# Altium PCB PCB1.PcbDoc (part 1 of 3)
Units mil, origin at the board's own origin, x right, y up, seen from the top; angles counter-clockwise.
Board outline 3937.01 x 2755.91 mil, 2 copper layers (Top Layer, Bottom Layer); 150 components, 153 nets, 622 pads, 556 vias.
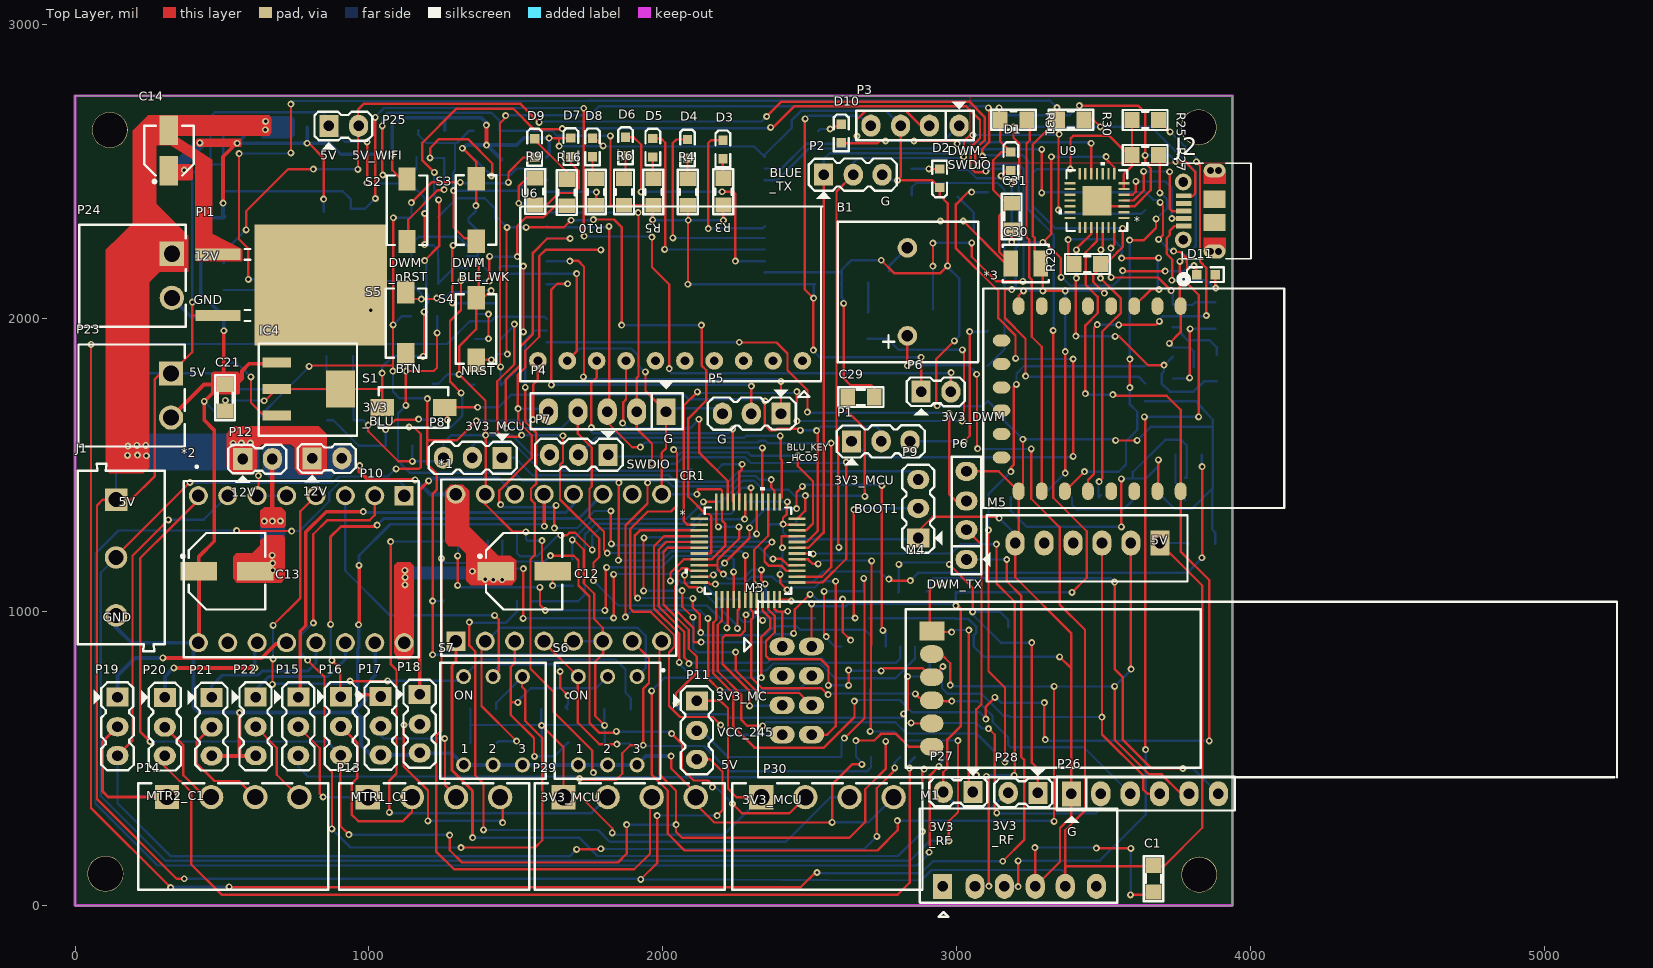
[diagram p0: Top Layer view]
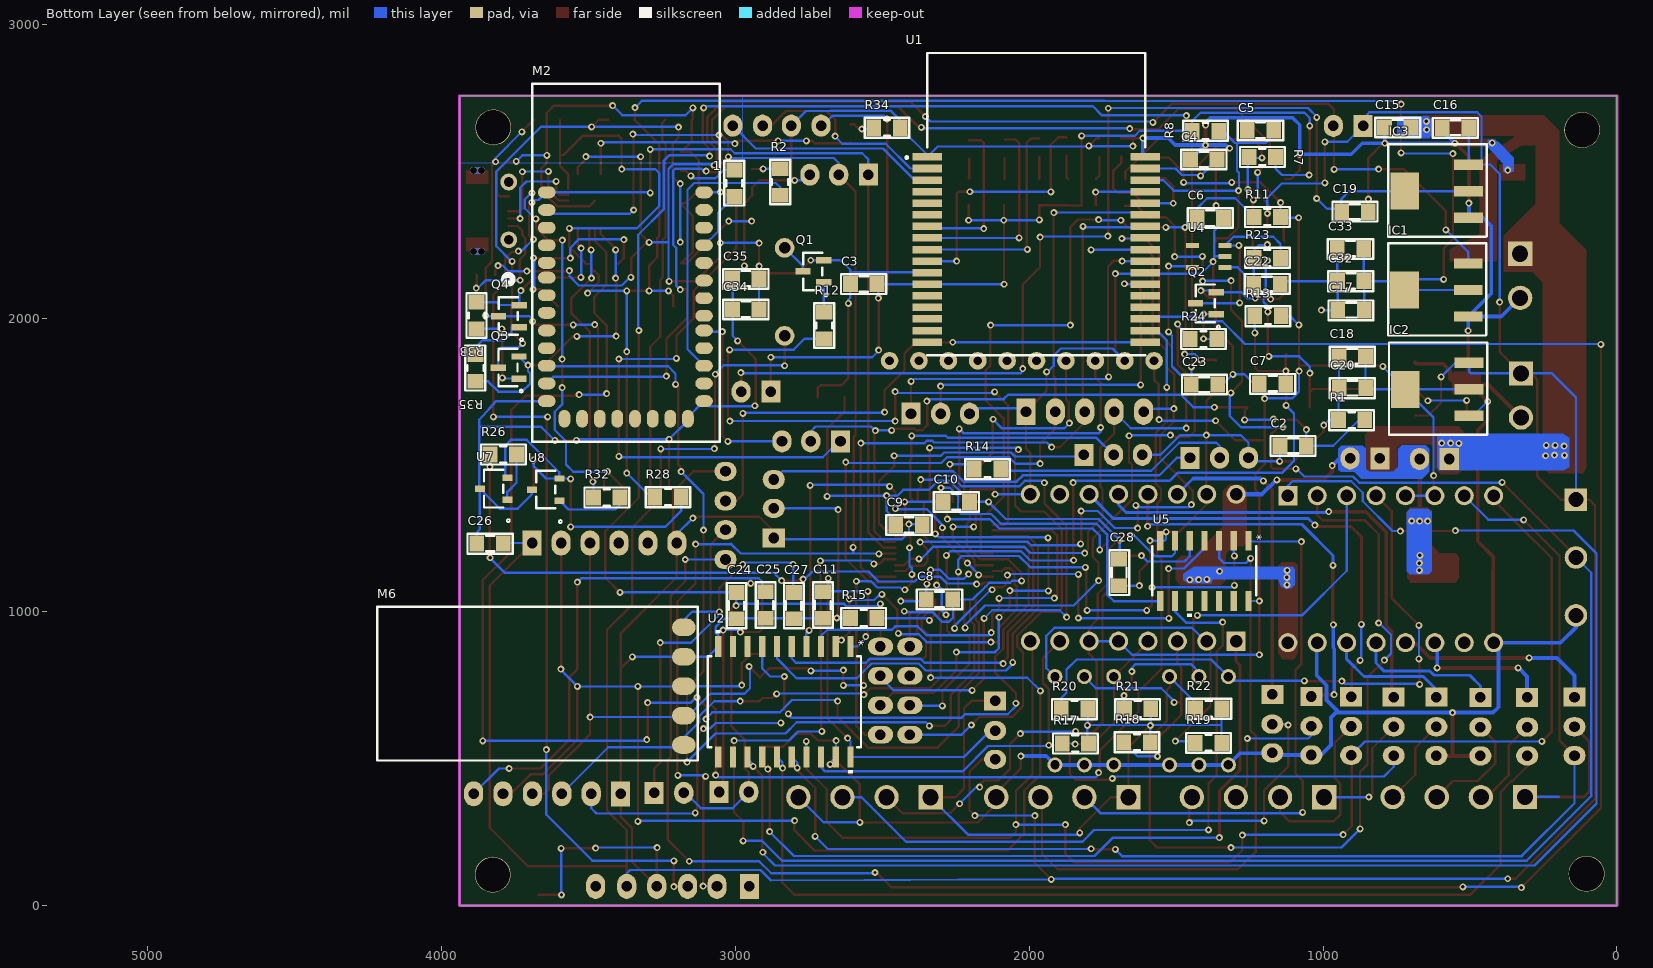
[diagram p1: Bottom Layer view, seen from below]
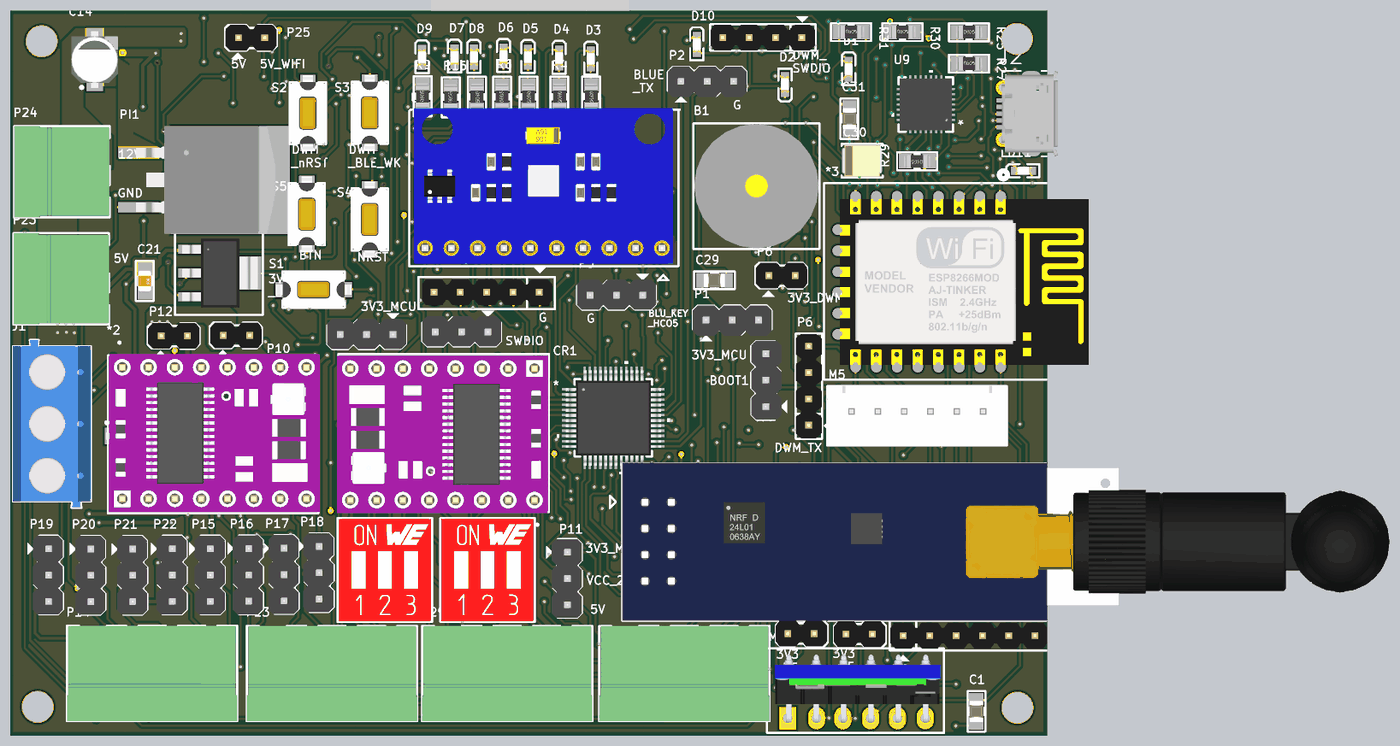
[diagram p4: 3D render of the assembled board from above, using the file's embedded part models]
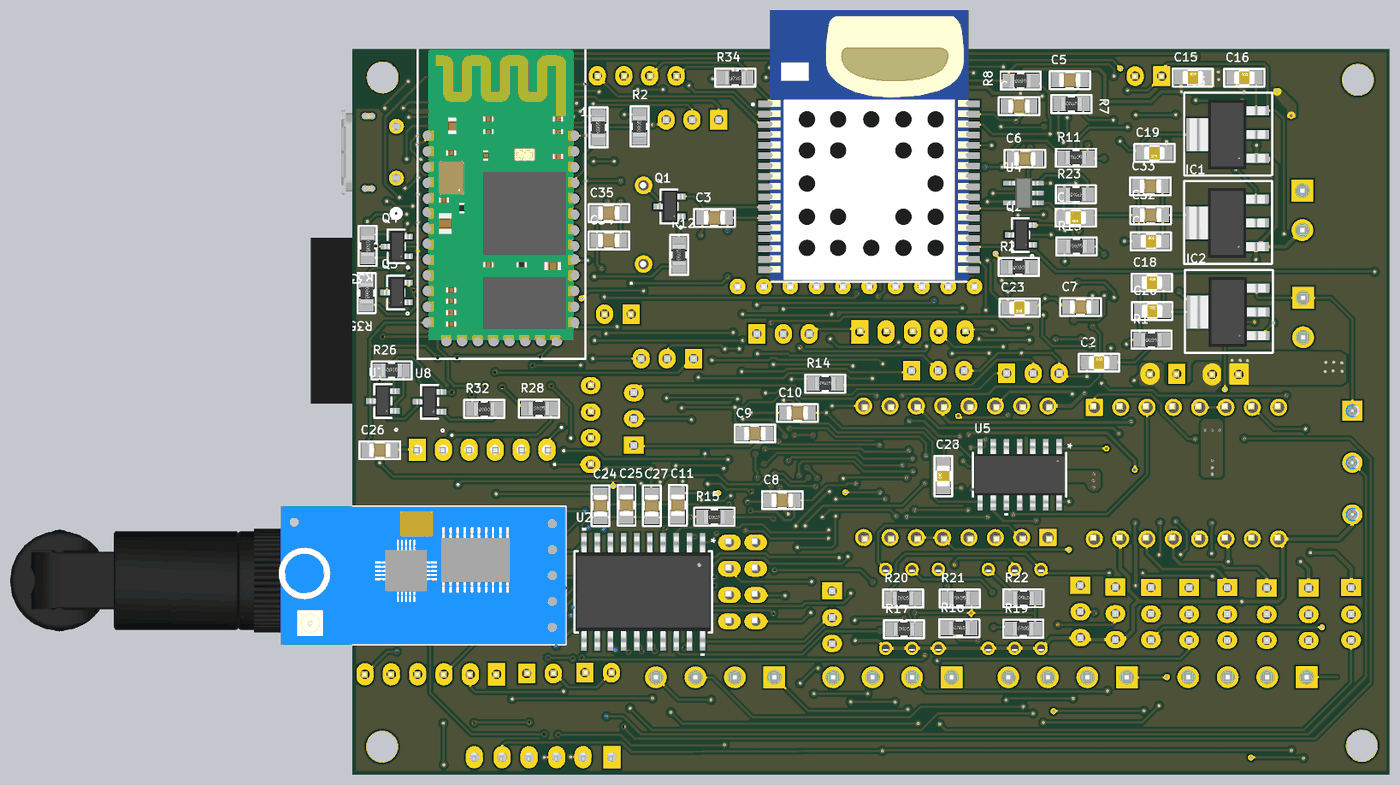
[diagram p5: 3D render of the assembled board from below, using the file's embedded part models]

## Layer stack, top to bottom
Top Solder: solder mask 0.4, Solder Resist, Dk 3.5
Top Layer: signal copper 1.4
Dielectric 1: dielectric 12.6, FR-4, Dk 4.8
Bottom Layer: signal copper 1.4
Bottom Solder: solder mask 0.4, Solder Resist, Dk 3.5

## Board outline
-0.1,-0.1 -0.1,2755.81 3936.91,2755.81 3936.91,-0.1

## Design rules (kind name [scope] priority, off if disabled: settings)
Clearance [All] p1: gap=8 ignorepadtopadclearanceinfootprint=FALSE except(0: Arc-Hole Track-Hole SMDPad-Hole THPad-Hole Via-Hole Fill-Hole Poly-Hole Region-Hole Text-Hole)
DiffPairsRouting [All] p1: maxlimit=10 minlimit=8 mostfreqgap=10 toplayer_minwidth=8 toplayer_maxwidth=12 toplayer_prefwidth=12 bottomlayer_minwidth=8 bottomlayer_maxwidth=12 bottomlayer_prefwidth=12 maxuncoupledlength=500
Height [All] p1: minheight=0 maxheight=10000 prefheight=500
HoleSize [All] p1: absolutevalues=TRUE maxlimit=393.7 minlimit=11.81 maxpercent=80.000 minpercent=20.000
HoleToHoleClearance [All] p1: gap=0 allowstackedmicrovias=TRUE
MinimumSolderMaskSliver [All] p1: minsoldermaskwidth=0
PolygonConnect [All] p1: connectstyle=Relief reliefconductorwidth=10 reliefentries=4 polygonreliefangle="90 Angle" airgapwidth=10
RoutingVias [All] p1: holewidth=11.81 width=23.62 viastyle="Through Hole" minholewidth=11.81 minwidth=23.62 maxholewidth=11.81 maxwidth=23.62
SilkToSilkClearance [All] p1: silktosilkclearance=0
SilkToSolderMaskClearance [IsPad] p1: minsilkscreentomaskgap=0 clearancetoexposedcopper=TRUE
SolderMaskExpansion [All] p1: expansion=4
Width [All] p1: maxlimit=15 minlimit=6 preferedwidth=8
23 further rules are at their usual default settings.

## Classes and differential pairs
component class DecaWave: C3 C4 C5 D3 D4 D5 D6 D7 D8 P3 P4 P5 P6 R3 R4 R5 R6 R7 R8 R9 R10 S2 S3 U1
component class RF: C24 C25 C26 C27 M3 M4 M5 M6 P26 P27 P28
component class Wifi: *3 C30 C31 C32 C33 C34 C35 D10 D11 J2 Q3 Q4 R25 R26 R27 R28 R29 R30 R31 R32 R33 R34 R35 U7 U8 U9
component class Bluetooth: 1 C1 C2 D1 D2 M1 M2 P1 P2 R1 R2 S1
component class "Motor Control": *1 *2 C11 C12 C13 P10 P11 P12 P13 P14 P15 P16 P17 P18 P19 P20 P21 P22 R17 R18 R19 R20 R21 R22 S6 S7 U2
component class Sensor: C28 C29 P29 P30 U5 U6
component class MCU: B1 C6 C7 C8 C9 C10 CR1 D9 J1 P7 P8 P9 Q1 R11 R12 R13 R14 R15 R16 S4 S5
component class "Power Supply": C14 C15 C17 C18 C19 C20 C21 C22 C23 IC1 IC2 IC3 IC4 P23 P24 P25 PI1 Q2 R23 R24 U4

## Components (designator, comment, footprint, x,y, rotation, side; value= is the part's Value field where it differs from the comment)
1 "Res-1K-0805" RES-SM-0805 3002.5,2413.5 r90 bottom value=470
*1 "DRV8825" DRV8825 1645.5,1150.5 r90 top locked
*2 "DRV8825" DRV8825 769.5,1145.5 r270 top locked
*3 "ESP8266-12F" ESP8266 3209.8,2040.5 r270 top locked
B1 "Buzzer 5v" "Buzzer 5v" 2831.5,1939.5 r90 top locked
C1 "Cap-1nF-50V-0805" CAP-SM-0805 3668.5,47.5 r90 top value=100nF/50V
C2 "Cap-1nF-50V-0805" CAP-SM-0805 1146.5,1565.5 r180 bottom value=100nF/50V
C3 "Cap-1nF-50V-0805" CAP-SM-0805 2607.5,2115.5 r180 bottom value=100nF/50V
C4 "Cap-4.7uF-50V-0805" CAP-SM-0805 1450.5,2539.5 r180 bottom value=100nF/50V
C5 "Cap-4.7uF-50V-0805" CAP-SM-0805 1257.5,2638.5 r180 bottom value=100nF/50V
C6 "Cap-1nF-50V-0805" CAP-SM-0805 1338.5,2339.5 r0 bottom value=100nF/50V
C7 "Cap-1nF-50V-0805" CAP-SM-0805 1216.5,1776.5 r180 bottom value=100nF/50V
C8 "Cap-1nF-50V-0805" CAP-SM-0805 2259.5,1042.5 r0 bottom value=100nF/50V
C9 "Cap-1nF-50V-0805" CAP-SM-0805 2363.5,1295.5 r0 bottom value=100nF/50V
C10 "Cap-1nF-50V-0805" CAP-SM-0805 2292.5,1374.5 r180 bottom value=100nF/50V
C11 "Cap-10uF-50V-0805" CAP-SM-0805 2701.5,978.5 r90 bottom value=100nF/50V
C12 "Cap-Al-100uF-16V-D6L5" CAP-SM-AL-SIZE-D-D6L6 1527.96,1138.5 r0 top locked value=100uF/16V
C13 "Cap-Al-220uF-35V-D8L10" CAP-SM-AL-SIZE-D-D6L6 517.04,1138.5 r0 top locked value=100uF/16V
C14 "Cap Pol SMD" "CAP ALU SIZE B" 319.5,2569.5 r90 top locked value=100uF
C15 "Cap-10uF-50V-0805" CAP-SM-0805 790.5,2648.5 r180 bottom value=10uF/50V
C16 "Cap-10uF-50V-0805" CAP-SM-0805 594.5,2647.5 r180 bottom value=10uF/50V
C17 "Cap-10uF-50V-0805" CAP-SM-0805 949.5,2026.5 r180 bottom value=10uF/50V
C18 "Cap-10uF-50V-0805" CAP-SM-0805 945.5,1869.5 r180 bottom value=10uF/50V
C19 "Cap-10uF-50V-0805" CAP-SM-0805 846.5,2361.5 r0 bottom value=10uF/50V
C20 "Cap-10uF-50V-0805" CAP-SM-0805 944.5,1761.5 r180 bottom value=10uF/50V
C21 "Cap-10uF-50V-0805" CAP-SM-0805 510.5,1773.5 r270 top value=10uF/50V
C22 "Cap-100nF-50V-0805" CAP-SM-0805 1145.5,2115.5 r0 bottom value=100nF/50V
C23 "Cap-10uF-50V-0805" CAP-SM-0805 1358.5,1773.5 r0 bottom value=10uF/50V
C24 "Cap-1nF-50V-0805" CAP-SM-0805 2995.5,976.5 r90 bottom value=100nF/50V
C25 "Cap-1nF-50V-0805" CAP-SM-0805 2896.5,978.5 r90 bottom value=100nF/50V
C26 "Cap-1nF-50V-0805" CAP-SM-0805 3878.5,1232.5 r180 bottom value=100nF/50V
C27 "Cap-1nF-50V-0805" CAP-SM-0805 2800.5,976.5 r90 bottom value=100nF/50V
C28 "Cap Non-Pol SMD" CAP-SM-0805 1693.5,1089.5 r90 bottom value=100nF/50V
C29 "Cap-1nF-50V-0805" CAP-SM-0805 2718.5,1730.5 r180 top value=100nF/50V
C30 "TAJB107M006RNJ" TAJB107M006RNJ 3234.5,2185.5 r0 top
C31 "Cap-1nF-50V-0805" CAP-SM-0805 3186.5,2390.5 r270 top value=1nF/50V
C32 "Cap-1nF-50V-0805" CAP-SM-0805 950.5,2125.5 r180 bottom value=10uF/50V
C33 "Cap-1nF-50V-0805" CAP-SM-0805 951.5,2235.5 r180 bottom value=100nF/50V
C34 "Cap-1nF-50V-0805" CAP-SM-0805 3008.5,2029.5 r180 bottom value=10uF/50V
C35 "Cap-1nF-50V-0805" CAP-SM-0805 3008.5,2133.5 r180 bottom value=100nF/50V
CR1 "STM32F103C8T6" STM32F103C8T6 2289.5,1208.5 r0 top locked
D1 "LED" LED_0603_Blue 3183.5,2533 r90 top
D2 "LED" LED_0603_Blue 2941.5,2475.5 r270 top
D3 "LED" LED_0603_Blue 2204,2573 r90 top
D4 "LED" LED_0603_Blue 2083.5,2576 r90 top
D5 "LED" LED_0603_Blue 1965.5,2579.13 r90 top
D6 "LED" LED_0603_Blue 1872.5,2583.5 r90 top
D7 "LED" LED_0603_Blue 1686.5,2580.5 r90 top
D8 "LED" LED_0603_Blue 1760.5,2579.76 r90 top
D9 "LED" LED_0603_Blue 1563.5,2578.5 r90 top
D10 "LED" LED_0603_Blue 2606.5,2627.5 r90 top
D11 "LED" LED_0603_Blue 3847.5,2147.5 r180 top
IC1 "AMS1117" AMS1117 614.5,2095.5 r90 bottom locked
IC2 "AMS1117" AMS1117 611.5,1757.5 r90 bottom locked
IC3 "AMS1117" AMS1117 613.5,2431.5 r90 bottom locked
IC4 "AMS1117" AMS1117 795,1758.5 r270 top locked
J1 "691102710003" 691102710003 157.22,1185.35 r270 top locked
J2 "105017-0001" CONN_105017-0001 3883.19,2364.26 r90 top locked
M1 "HC05-06-TH" HC-05-06-TH 2951.5,66.5 r270 top locked
M2 "HC-05-06-SMD" HC-05-06-SMD 3640.5,1717.39 r180 bottom locked
M3 "NRF24L01" NRF24L01 2405.5,882.5 r180 top locked
M4 "LC12S" LC12S 2914.5,935.72 r180 top locked
M5 "Holybro Radio" Holybro 3690.35,1234.5 r90 top
M6 "HC12" HC12 3174.5,947.5 r0 bottom locked
P1 "Header 3" JP3 2741.5,1580.5 r0 top
P2 "Header 3" JP3 2646.5,2487.5 r0 top
P3 "Header 4" JP4 2907.5,2654.5 r180 top
P4 "Header 5" JP5 2010.5,1681.5 r180 top locked
P5 "Header 3" JP3 2301.5,1674.5 r180 top locked
P6 "Header 4" JP4 3032.5,1278.5 r90 top
P6 "Header 2" JP2 2878.5,1749.5 r0 top
P7 "Header 3" jp3 1713.5,1534.5 r180 top locked
P8 "" jp3 1352.5,1524.5 r180 top locked
P9 "" jp3 2868.5,1351.5 r90 top
P10 "Header 2" JP2 806.5,1522.5 r0 top locked
P11 "Header 3" JP3 2115.5,597.5 r270 top
P12 "Header 2" JP2 570.5,1520.5 r0 top
P13 "691322310004" 691322310004 1221.15,236.12 r0 top locked
P14 "691322310004" 691322310004 538,236.64 r0 top
P15 "Header 3" JP3 759.5,610.5 r270 top
P16 "Header 3" JP3 904.5,611.5 r270 top
P17 "Header 3" JP3 1039.5,612.5 r270 top
P18 "Header 3" JP3 1172.5,619.5 r270 top
P19 "Header 3" JP3 144.5,610.5 r270 top
P20 "Header 3" JP3 305.5,609.5 r270 top
P21 "Header 3" JP3 464.5,609.5 r270 top
P22 "Header 3" JP3 614.5,610.5 r270 top
P23 "691322310002" 691322310002 192.64,1736.5 r270 top locked
P24 "691322310002" 691322310002 195.5,2143.5 r270 top locked
P25 "Header 2" JP2 863.5,2653.5 r0 top
P26 "Header 6" JP6 3389.5,381.5 r0 top
P27 "Header 2" JP2 3054.5,387.5 r180 top
P28 "Header 2" JP2 3275.5,384.5 r180 top
P29 "691322310004" 691322310004 1886.7,236.12 r0 top
P30 "691322310004" 691322310004 2559.74,236.12 r0 top locked
PI1 "L7805-SMD" D2PAk 835.5,2112.5 r270 top locked
Q1 "MMBT3904-1AM" SOT23_NEX 2735.5,2158.5 r90 bottom
Q2 "MMBT3904-1AM" SOT23_NEX 1400.71,2050 r90 bottom
Q3 "S8050" SOT23_NEX 3772.5,1831.5 r90 bottom
Q4 "S8050" SOT23_NEX 3771.5,2006.5 r90 bottom
R1 "Res-0-0805" RES-SM-0805 857.5,1652.5 r0 bottom value=10K
R2 "Res-1K-0805" RES-SM-0805 2846.5,2417.5 r90 bottom value=470
R3 "Res-0-0805" RES-SM-0805 2205.5,2474.5 r270 top value=1K
R4 "Res-0-0805" RES-SM-0805 2084.5,2473.8 r270 top value=1K
R5 "Res-0-0805" RES-SM-0805 1967.5,2473.5 r270 top value=1K
R6 "Res-0-0805" RES-SM-0805 1867.5,2383.5 r90 top value=1K
R7 "Res-1K-0805" RES-SM-0805 1251.5,2547.5 r180 bottom value=10K
R8 "Res-1K-0805" RES-SM-0805 1354.5,2636.5 r0 bottom value=10K
R9 "Res-1K-0805" RES-SM-0805 1565.5,2385.5 r90 top value=1K
R10 "Res-1K-0805" RES-SM-0805 1771.5,2473.5 r270 top value=1K
R11 "Res-0-0805" RES-SM-0805 1234.5,2343.5 r180 bottom value=10K
R12 "Res-12K-0805" RES-SM-0805 2696.5,1929.5 r90 bottom value=15K
R13 "Res-0-0805" RES-SM-0805 1232.5,2006.5 r180 bottom locked value=10K
R14 "Res-1K-0805" RES-SM-0805 2186.5,1485.5 r180 bottom value=100K
R15 "Res-1K-0805" RES-SM-0805 2517.5,979.5 r0 bottom value=100K
R16 "Res-0-0805" RES-SM-0805 1672.5,2381.5 r90 top value=10K
R17 "Res-1K-0805" RES-SM-0805 1887.5,552.5 r180 bottom value=1K
R18 "Res-1K-0805" RES-SM-0805 1677.5,556.5 r180 bottom value=1K
R19 "Res-1K-0805" RES-SM-0805 1434.5,554.5 r180 bottom value=1K
R20 "Res-1K-0805" RES-SM-0805 1890.7,669.19 r180 bottom value=1K
R21 "Res-1K-0805" RES-SM-0805 1675.5,669.5 r180 bottom value=1K
R22 "Res-1K-0805" RES-SM-0805 1433.5,670.5 r180 bottom value=1K
R23 "Res-1K-0805" RES-SM-0805 1144.5,2204.5 r0 bottom value=4.7K
R24 "Res-1K-0805" RES-SM-0805 1361.5,1928.5 r0 bottom value=100K
R25 "Res-0-0805" RES-SM-0805 3595.5,2673.5 r0 top value=12K
R26 "Res-470-0805" RES-SM-0805 3833.5,1535.5 r180 bottom value=1K
R27 "Res-0-0805" RES-SM-0805 3595.5,2554.5 r0 top value=12K
R28 "Res-470-0805" RES-SM-0805 3273.5,1390.5 r180 bottom value=1K
R29 "Res-0-0805" RES-SM-0805 3488.5,2183.5 r180 top value=12K
R30 "Res-0-0805" RES-SM-0805 3342.5,2674.5 r0 top value=12K
R31 "Res-0-0805" RES-SM-0805 3147.5,2674.5 r0 top value=12K
R32 "Res-470-0805" RES-SM-0805 3391.5,1389.5 r0 bottom value=1K
R33 "Res-0-0805" RES-SM-0805 3879.5,2053.5 r270 bottom value=12K
R34 "Res-470-0805" RES-SM-0805 2438.5,2647.5 r0 bottom value=1K
R35 "Res-0-0805" RES-SM-0805 3883.5,1874.5 r270 bottom value=12K
S1 "434113043826" 434113043826 1151.5,1695.5 r0 top locked
S2 "434113043826" 434113043826 1129.5,2366.5 r90 top locked
S3 "434113043826" 434113043826 1364.5,2367.5 r90 top
S4 "434113043826" 434113043826 1364.5,1962.5 r90 top
S5 "434113043826" 434113043826 1125.5,1982.5 r90 top locked
S6 "418117170903" 418117170903 1811.96,630 r0 top
S7 "418117170903" 418117170903 1422.01,629.82 r0 top
U1 "DWM1001" DWM1001 1987.37,2387.11 r180 bottom locked
U2 "74HC245" 74HC245,625 2832.5,694.5 r270 bottom locked
U4 "XC6204B181MR" XC6204B332MR 1388.5,2209.5 r0 bottom
U5 "74HC14D,652" 74HC14D,652 1403.5,1139.5 r270 bottom locked
U6 "GY 9250" "GY 9250" 2474.5,1854.5 r90 top locked
U7 "IRLML6402TRPBF" IRLML6402TRPBF 3821.5,1419.5 r90 bottom
U8 "IRLML6402TRPBF" IRLML6402TRPBF 3644.5,1416.5 r90 bottom
U9 "CP2102-GM" cp2102-gm 3476.5,2399.5 r180 top

## Footprints (in the part's own frame and the unit in brackets; to place one, negate y for a bottom-side part, rotate by r counter-clockwise, add the part's x,y. Pads: shape width x height; smd on the part's side, far side on the other; paste and mask are expansions set on the pad)
74HC14D,652 [mil]
  rect 67x21 smd paste+0 mask+0: 1(-102.5,150) 2(-102.5,100) 3(-102.5,50) 4(-102.5,0) 5(-102.5,-50) 6(-102.5,-100) 7(-102.5,-150) 8(102.5,-150) 9(102.5,-100) 10(102.5,-50) 11(102.5,0) 12(102.5,50) 13(102.5,100) 14(102.5,150)
  silkscreen extent -84,-177 156,177, body extent -122,-172 122,172, height 69
74HC245,625 [mil]
  rect 71x21 smd paste+0 mask+0: 1(-188,225) 2(-188,175) 3(-188,125) 4(-188,75) 5(-188,25) 6(-188,-25) 7(-188,-75) 8(-188,-125) 9(-188,-175) 10(-188,-225) 11(188,-225) 12(188,-175) 13(188,-125) 14(188,-75) 15(188,-25) 16(188,25) 17(188,75) 18(188,125) 19(188,175) 20(188,225)
  silkscreen extent -244,-261 244,261, body extent -209,-256 209,256, height 104
418117170903 [mm] "2.54 mm compact THT with flat actuator, 3p"
  round 1.3 hole 0.8: 1(-2.54,-3.81) 2(0,-3.81) 3(2.54,-3.81) 4(2.54,3.81) 5(0,3.81) 6(-2.54,3.81)
  silkscreen extent -4.56,-5 4.56,5, body extent -4.46,-4.95 4.46,4.95, height 5.75
434113043826 [mm] "SMD Tact Switch, body 6x3.5mm"
  rect 2x1.5 smd: 1(-2.7,0) 2(2.7,0)
  silkscreen extent -3,-1.75 3,1.75, body extent -3.65,-1.75 3.65,1.75, height 4.3
691102710003 [mm] "5,00mm - modular - blue - Horizontal entry with pressure clamp - 9,9 mm height - 03p"
  rect 1.95x1.95 hole 1.3: 1(-5,-0.45)
  round 1.95 hole 1.3: 2(0,-0.45) 3(5,-0.45)
  silkscreen extent -8.1,-3.75 8.1,3.75, body extent -8.1,-3.75 8.1,3.75, height 9.96
691322310002 [mm] "Horizontal PCB Header, pitch 3.81mm, 02p"
  rect 2.1x2.1 hole 1.4: 1(-1.905,3.4)
  round 2.1 hole 1.4: 2(1.905,3.4)
  silkscreen extent -4.4,-4.6 4.41,4.6, body extent -4.4,-4.6 4.41,4.6, height 7.25
691322310004 [mm] "Horizontal PCB Header, pitch 3.81mm, 04p"
  rect 2.1x2.1 hole 1.4: 1(-5.715,3.4)
  round 2.1 hole 1.4: 2(-1.905,3.4) 3(1.905,3.4) 4(5.715,3.4)
  silkscreen extent -8.21,-4.6 8.22,4.6, body extent -8.21,-4.6 8.21,4.6, height 7.25
AMS1117 [mil]
  rect 35x98 smd paste+0 mask+3: 1(-90.16,-108.5) 2(0,-108.5) 3(90.16,-108.5)
  rect 126x98 smd paste+0 mask+3: 4(0,108.5)
  silkscreen extent -155,-170 159,164, body extent -132,-143 132,145, height 71
"Buzzer 5v" [mm]
  round 1.7 hole 1 mask+0.05: 1(0,0) 2(7.6,0)
  silkscreen extent -2.27,-6.13 9.85,6.02, body extent -2.2,-6.05 9.8,5.95, height 9.5
"CAP ALU SIZE B" [mm] "Capacitor, Aluminium Electrolytric, 4.3mm L X 4.3mm W X 5.4mm H, IPC Medium Density"
  rect 2.55x1.6 smd: 1(-1.75,0) 2(1.75,0)
  silkscreen extent -2.8,-2.15 2.15,2.15, body extent -2.75,-2.25 2.75,2.25, height 5.7
CAP-SM-0805 [mil]
  rect 50x55 smd: 1(0,0) 2(90,0)
  silkscreen extent -32,-34 122,33, body extent 4,-27 86,27, height 30
CAP-SM-AL-SIZE-D-D6L6 [mm] "WH6.6"
  rect 3.15x1.6 smd: 1(-2.45,0) 2(2.45,0)
  silkscreen extent -3.95,-3.3 3.3,3.3, body extent -3.9,-3.4 3.9,3.4, height 5.7
CONN_105017-0001 [mil]
  rect 16x53 smd: 1(-51.18,112) 2(-25.59,112) 3(0,112) 4(25.59,112) 5(51.18,112)
  round 57 hole 33: 6(-98.43,112.98) 7(98.43,112.98)
  rect 59x75 smd: 10(-39.37,6.69) 11(39.37,6.69)
  oval 48x75 smd mask+0: S_1(-137.8,6.69) S_2(137.8,6.69)
  round 24 hole 24: S_1_H1(-137.8,20.19) S_1_H2(-137.8,-6.81) S_2_H1(137.8,20.19) S_2_H2(137.8,-6.81)
  Top Layer region: -91.8,-30.81 -91.8,44.19 -137.8,44.19 -137.8,-30.81
  Top Layer region: 91.8,-30.81 91.8,44.19 137.8,44.19 137.8,-30.81
  Multi-Layer lines w24: -137.8,20.19 -137.8,-6.81 ; 137.8,20.19 137.8,-6.81
  silkscreen extent -247,-117 162,127, body extent -161,-95 161,118, height 108
cp2102-gm [mil]
  rect 38x8 smd paste+0 mask+0: 1(-91.5,59.06) 2(-91.5,39.37) 3(-91.5,19.69) 4(-91.5,0) 5(-91.5,-19.68) 6(-91.5,-39.37) 7(-91.5,-59.06) 15(91.5,-59.06) 16(91.5,-39.37) 17(91.5,-19.68) 18(91.5,0) 19(91.5,19.69) 20(91.5,39.37) 21(91.5,59.06)
  rect 8x38 smd paste+0 mask+0: 8(-59.06,-91.5) 9(-39.37,-91.5) 10(-19.68,-91.5) 11(0,-91.5) 12(19.69,-91.5) 13(39.37,-91.5) 14(59.06,-91.5) 22(59.06,91.5) 23(39.37,91.5) 24(19.69,91.5) 25(0,91.5) 26(-19.68,91.5) 27(-39.37,91.5) 28(-59.06,91.5)
  rect 100x100 smd paste-65.5 mask+0: 29(0,0)
  silkscreen extent -104,-130 130,104, body extent -98,-98 99,99, height 37
D2PAk [mil]
  rect 39x154 smd: 1(-103.94,-349.5) 3(103.94,-349.5)
  rect 411x451 smd: 2(0,0)
  silkscreen extent -122,-258 122,-239, body extent -204,-359 204,172, height 181
DRV8825 [mm]
  round 1.65 hole 1.1: 1(-6.35,-8.89) 2(-6.35,-6.35) 3(-6.35,-3.81) 4(-6.35,-1.27) 5(-6.35,1.27) 6(-6.35,3.81) 7(-6.35,6.35) 9(6.35,8.89) 10(6.35,6.35) 11(6.35,3.81) 12(6.35,1.27) 13(6.35,-1.27) 14(6.35,-3.81) 15(6.35,-6.35) 16(6.35,-8.89)